# Altium PCB Mainboard.PcbDoc (part 2 of 4) (continued)
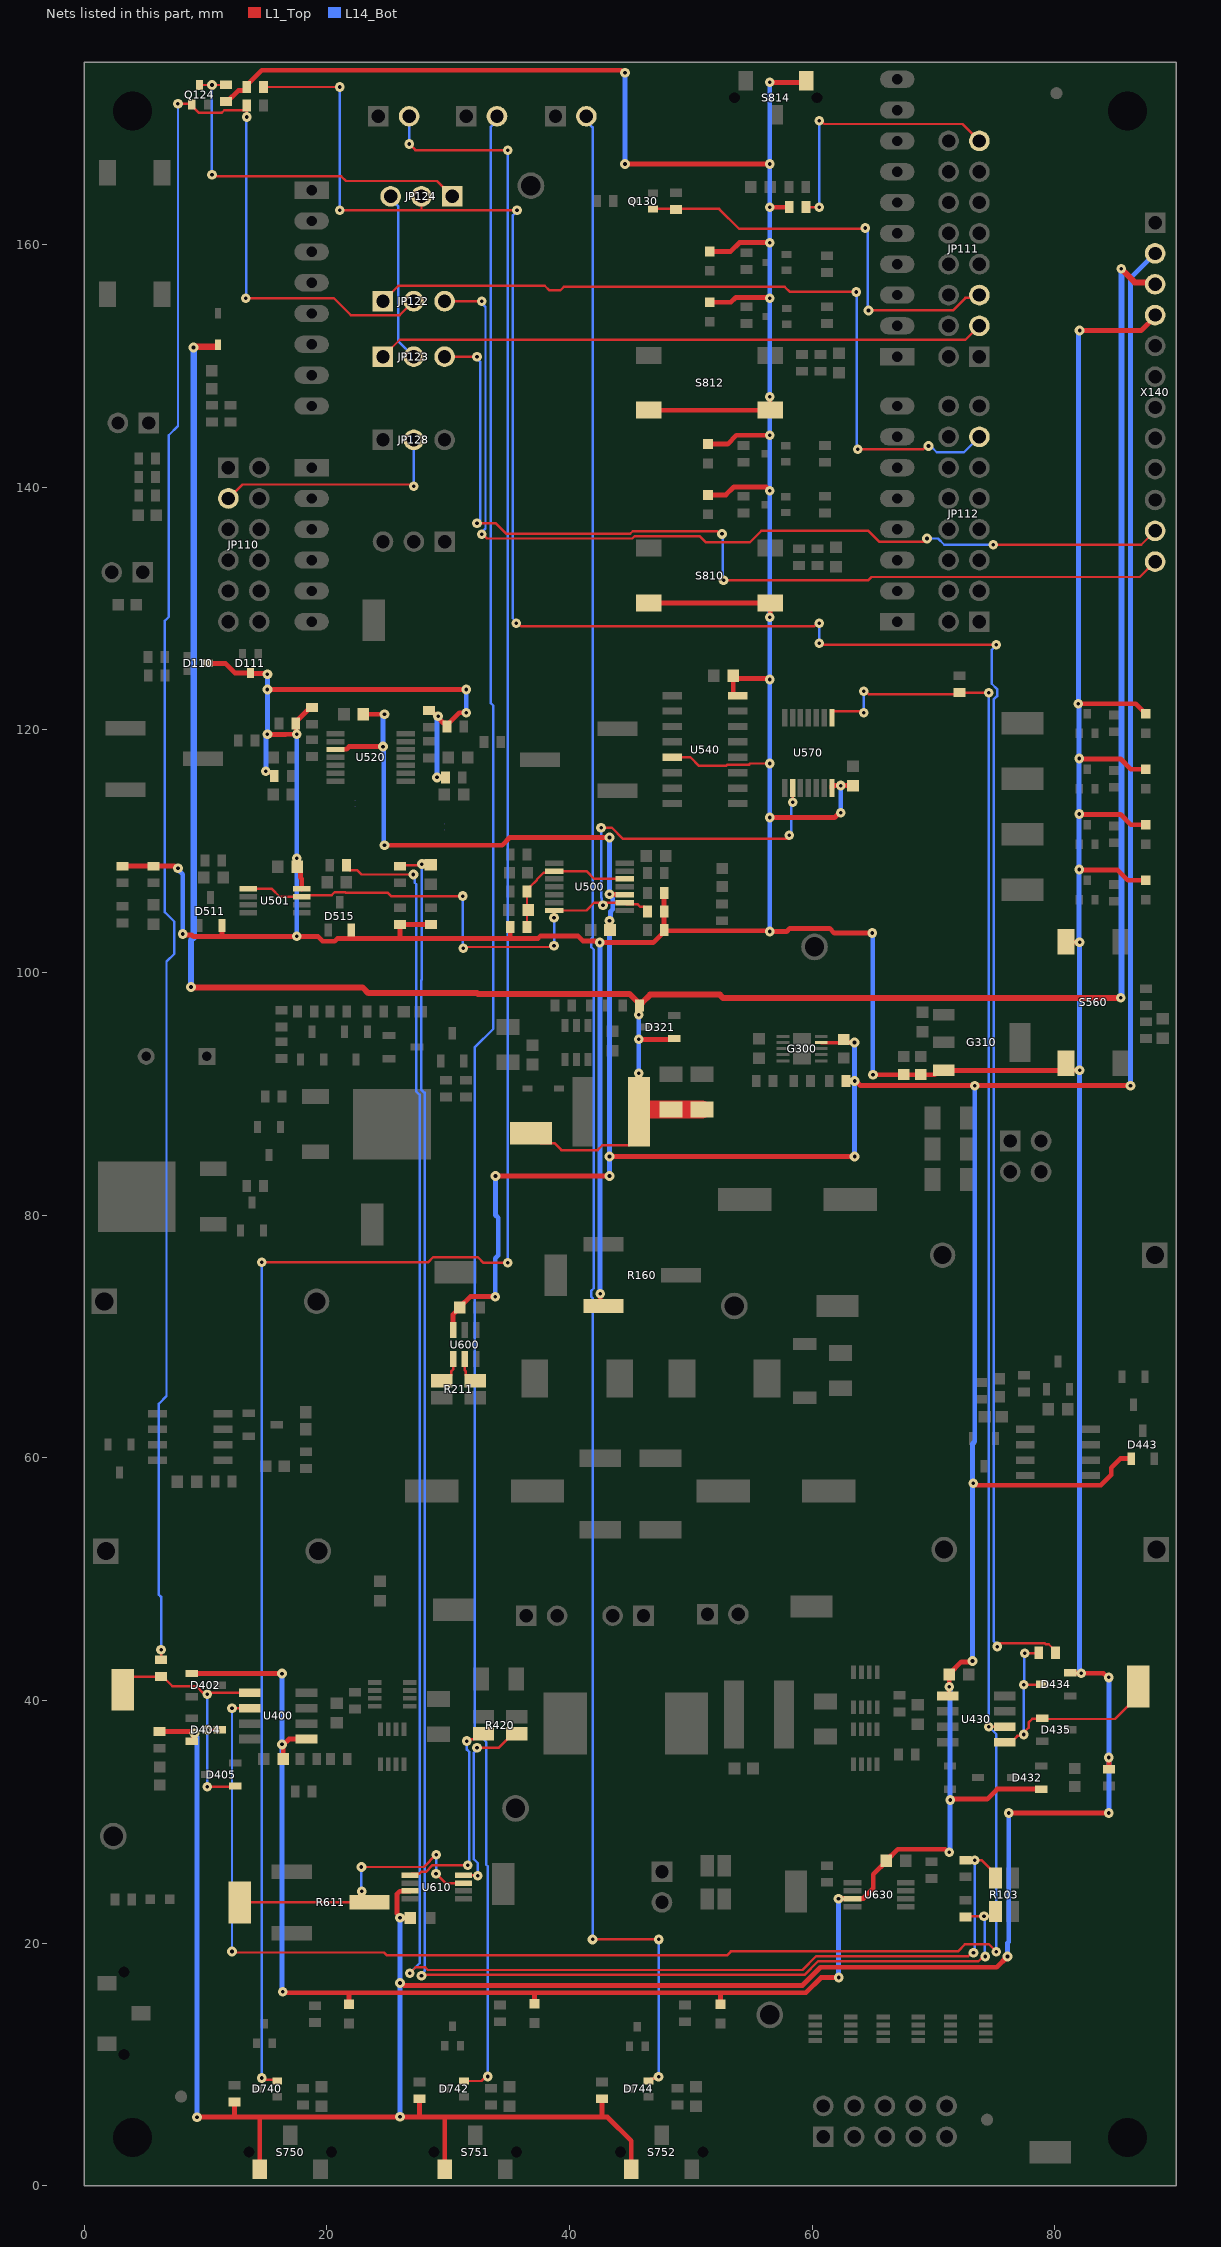
[diagram p2: the nets of this part, all layers, seen from the top]
## Part data (continued)
U540: library part 648079, "Quad R/S latch with 3-state outputs", Manufacturer=Nexperia, Package Description="SOIC,1.27mm pitch;16 pin,3.90mm W X 9.90mm L X 1.75mm H body", Temperature max=85, Temperature min=-40, Temperature Range=Industrial, Voltage DC (max)=na, Alternate View=No, Article Number=648079, Automotive Qualified=No, Combined Parameters="- Digital;Vdc min/max:3V/15V;Iout:2.4mA;Fmax:-", ComponentLink1Description="Vendor WebSite", ComponentLink1URL=http://www.nexperia.com, ComponentLink2Description=Datasheet, ComponentLink2URL=http://webnetprod.muc.infineon.com/PCBPortal_Prod/WorkFlows/AltiumComponent/StandardDocumentation?Versionid=648080, ComponentStatus=Released, Legacy DeviceID=NEX_HEF4043BT,653, Manufacturer Order Number=HEF4043BT,653, Multiple Parts=No, PackageReference=SO-16, Part Type="Integrated Circuit", PLMStatus=Active, QuickPick=SO-16, RoHS Compliant=Y, Second Source allowed=Yes, Supplier 1=Farnell, Supplier 2=DigiKey, Supplier 3=Mouser, Supplier Part Number 2=1727-1799-1-ND, Supplier Part Number 3=771-HEF4043BT653, Symbol Type="Quad R/S latch with 3-state outputs", Type=Digital, Version Number=V00
U570: library part 648286, "Dual 4-input NOR gate, Inputs also include clamp diodes that enable the use of current limiting resistors", Manufacturer=Nexperia, Package Description="SOP,0.65mm,pitch;14 pin,4.40mm W X 5.00mm L X 1.10mm H body", Supplier Part Number 1=3441850, Temperature max=125, Temperature min=-40, Temperature Range=Automotive, Voltage DC (max)=na, Alternate View=Yes, Application="Power Electronics", Article Number=648286, Automotive Qualified=No, Combined Parameters="Power Electronics Digital;Vdc min/max:2V/6V;Iout:25mA;Fmax:-", ComponentLink1Description="Vendor WebSite", ComponentLink1URL=http://www.nexperia.com, ComponentLink2Description=Datasheet, ComponentLink2URL=http://webnetprod.muc.infineon.com/PCBPortal_Prod/WorkFlows/AltiumComponent/StandardDocumentation?Versionid=648287, ComponentStatus=Released, Legacy DeviceID=NEX_74HC4002PW,118, Manufacturer Order Number=74HC4002PW,118, Multiple Parts=Yes, PackageReference="TSSOP14 (SOT402-1)", Part Type="Integrated Circuit", PLMStatus=Active, QuickPick="TSSOP14 (SOT402-1)", RoHS Compliant=Y, Second Source allowed=Yes, Supplier 1=Farnell, Supplier 2=DigiKey, Supplier 3=Mouser, Supplier Part Number 2=1727-6600-1-ND, Supplier Part Number 3=771-HC4002PW118, Symbol Type="Dual 4-input NOR gate", Type=Digital, Version Number=V00
U600: library part 644045, "Low-Cost, Voltage-Output, High-Side Current-Sense Amplifier", Manufacturer="Maxim Integrated Products", Package Description="SOT,0.95mm pitch;6 pin,1.625mm W X 2.90mm L X 1.45mm H body", Supplier Part Number 1=2515284, Temperature max=125, Temperature min=-40, Temperature Range=Automotive, Voltage DC (max)=na, Alternate View=No, Application="Power Supply", Article Number=644045, Automotive Qualified=Yes, Combined Parameters=Res.:-;Fmax:-, ComponentLink1Description="Vendor WebSite", ComponentLink1URL=http://www.maxim-ic.com/, ComponentLink2Description=Datasheet, ComponentLink2URL=http://webnetprod.muc.infineon.com/PCBPortal_Prod/WorkFlows/AltiumComponent/StandardDocumentation?Versionid=644046, ComponentStatus=Released, Legacy DeviceID=MIP_MAX4073FAUT+T, Manufacturer Order Number=MAX4073FAUT+T, Multiple Parts=No, PackageReference=SOT23-6, Part Type="Analog Parts", PLMStatus=Active, QuickPick="Amplifier / SOT23-6", RoHS Compliant=Y, Second Source allowed=Yes, Supplier 1=Farnell, Supplier 2=DigiKey, Supplier 3=Mouser, Supplier Part Number 2=MAX4073FAUT+TCT-ND, Supplier Part Number 3=700-MAX4073FAUT+T, Symbol Type="Low-Cost, Voltage-Output, High-Side Current-Sense Amplifier", Type=Amplifier, Version Number=V01
U610: library part 645975, "Current Sense Amplifiers Current-Sense Amplifier W / PWM Rejection", Manufacturer="Maxim Integrated Products", Package Description="SOP,0.65mm pitch;8 pin,3.00mm W X 3.00mm L X 1.10mm H body", Supplier Part Number 1=3288156, Temperature max=125, Temperature min=-40, Temperature Range=Automotive, Voltage DC (max)=na, Alternate View=No, Application="Power Electronics", Article Number=645975, Automotive Qualified="AEC Q100", Combined Parameters=Res.:-;Fmax:-, ComponentLink1Description="Vendor WebSite", ComponentLink1URL=http://www.maxim-ic.com/, ComponentLink2Description=Datasheet, ComponentLink2URL=http://webnetprod.muc.infineon.com/PCBPortal_Prod/WorkFlows/AltiumComponent/StandardDocumentation?Versionid=645976, ComponentStatus=Released, Legacy DeviceID=MIP_MAX40056TAUA+, Manufacturer Order Number=MAX40056TAUA+, Multiple Parts=No, PackageReference=uMAX-8, Part Type="Analog Parts", PLMStatus=Active, QuickPick="Amplifier / uMAX-8", RoHS Compliant=Y, Second Source allowed=Yes, Supplier 1=Farnell, Supplier 2=DigiKey, Supplier 3=Mouser, Supplier Part Number 2=175-MAX40056TAUA+-ND, Supplier Part Number 3=700-MAX40056TAUA+, Symbol Type="Bidirectional Current Sense Amplifier with PWM-Rejection", Type=Amplifier, Version Number=V01
U630: library part 648334, "Automotive, High-Voltage, Precision, Rail-to-Rail In, Rail-to-Rail Out Op Amp, Inverter and Motor Control Applications", Manufacturer="Texas Instruments", Package Description="SOP,0.65mm pitch;8 pin,3.00mm W X 3.00mm L X 1.10mm H body", Temperature max=125, Temperature min=-40, Temperature Range=Automotive, Voltage DC (max)=na, Alternate View=Yes, Application="Power Supply", Article Number=648334, Automotive Qualified="AEC Q100", Combined Parameters=Res.:-;Fmax:-, ComponentLink1Description="Vendor WebSite", ComponentLink1URL=http://www.ti.com, ComponentLink2Description=Datasheet, ComponentLink2URL=http://webnetprod.muc.infineon.com/PCBPortal_Prod/WorkFlows/AltiumComponent/StandardDocumentation?Versionid=648335, ComponentStatus=Released, Legacy DeviceID=TI_TLV197QDGKRQ1, Manufacturer Order Number=TLV197QDGKRQ1, Multiple Parts=Yes, PackageReference=VSSOP-8(DGK), Part Type="Analog Parts", PLMStatus=Active, QuickPick="Amplifier / VSSOP-8(DGK)", RoHS Compliant=Y, Second Source allowed=Yes, Supplier 1=Farnell, Supplier 2=DigiKey, Supplier 3=Mouser, Supplier Part Number 2=296-TLV197QDGKRQ1CT-ND, Supplier Part Number 3=595-TLV197QDGKRQ1, Symbol Type="High-Precision, Low-Noise, Rail-to-Rail Output, JFET Op Amp", Type=Amplifier, Version Number=V00
W100 W500: library part 453053, "SMD Net Tie for two Nets", Legacy PartNumber=CON01501379, Manufacturer="Infineon Technologies", Package Description="SMD Net Tie 0.2mm x 0.6mm", Temperature max=0, Temperature Range=Military, Voltage DC (max)=na, Alternate View=Yes, Article Number=453053, Combined Parameters="- onboard connector;-x-;Mounting:SMT;Orient:-;Shielded:-", ComponentLink1Description="Vendor WebSite", ComponentLink1URL=https://www.infineon.com/, ComponentLink2Description=Datasheet, ComponentStatus=Released, Legacy DeviceID="CON_Net Tie_small_2p", Manufacturer Order Number="Net Tie_small_2p", PackageReference=SMD, Part Type=Connector, PLMStatus=Active, Second Source allowed=Yes, Supplier 1=Farnell, Supplier 2=DigiKey, Supplier 3=Mouser, Symbol Type="Net Tie for two Nets", Temperature min=0, Version Number=V01
X100 X102: library part 377341, "Banana Socket, Red, 17.5mm Pitch", Legacy PartNumber=CON01500041, Manufacturer="Hirschmann Test & Measurement", Manufacturer Component Status=Active, Package Description="Banana Jack, 2 pins, 17.5mm Pitch, 21mm L X 7.5mm W X 10.5mm H body", Supplier Part Number 1=497332, Temperature max=85, Temperature min=-25, Temperature Range=Military, Voltage DC (max)=na, Article Number=377341, Combined Parameters="Board-to-Cable Socket (female);2x1;Mounting:THT;Orient:90° (right angle);Shielded:No", ComponentLink1Description="Vendor WebSite", ComponentLink1URL=http://www.sks-kontakt.de/, ComponentLink2Description=Datasheet, ComponentLink2URL=http://webnetprod.muc.infineon.com/PCBPortal_Prod/WorkFlows/AltiumComponent/StandardDocumentation?Versionid=377342, ComponentStatus=Released, Legacy DeviceID="HTM_973 582- 101", Manufacturer Order Number="973 582-101", Part Type=Connector, PLMStatus=Active, QuickPick="90° (right angle) / Board-to-Cable", RoHS Compliant=N, Second Source allowed=Yes, Style=Banana, Supplier 1=Farnell, Supplier 2=DigiKey, Supplier 3=Mouser, Supplier Part Number 3=845-973582101, Symbol Type="Banana Socket 2 Pins", Type=Board-to-Cable, Version Number=V01
X101 X103: library part 377401, "Banana Socket, black, 17.5mm Pitch", Legacy PartNumber=CON01500045, Manufacturer="Hirschmann Test & Measurement", Manufacturer Component Status=Active, Package Description="Banana Jack, 2 pins, 17.5mm Pitch, 21mm L X 7.5mm W X 10.5mm H body", Supplier Part Number 1=497344, Temperature max=85, Temperature min=-25, Temperature Range=Military, Voltage DC (max)=na, Article Number=377401, Automotive Qualified=No, Combined Parameters="Board-to-Cable Socket (female);-x-;Mounting:THT;Orient:90° (right angle);Shielded:No", ComponentLink1Description="Vendor WebSite", ComponentLink1URL=http://www.sks-kontakt.de/, ComponentLink2Description=Datasheet, ComponentLink2URL=http://webnetprod.muc.infineon.com/PCBPortal_Prod/WorkFlows/AltiumComponent/StandardDocumentation?Versionid=377402, ComponentStatus=Released, Legacy DeviceID="HTM_973 582- 100", Manufacturer Order Number="973 582-100", Part Type=Connector, PLMStatus=Active, QuickPick="90° (right angle) / Board-to-Cable", RoHS Compliant=N, Second Source allowed=Yes, Style=Banana, Supplier 1=Farnell, Supplier 2=DigiKey, Supplier 3=Mouser, Supplier Part Number 3=845-973582100, Symbol Type="Banana Socket 2 Pins", Type=Board-to-Cable, Version Number=V01
X110: library part 644888, "Arduino Uno is a microcontroller board based on the ATmega328P", Manufacturer="Infineon Technologies", Package Description="Arduino-Uno, THT, 32 Pin, 68.58 mm L X 53.34 mm W X 8.64 mm H body", Temperature max=85, Temperature min=-40, Temperature Range=Industrial, Voltage DC (max)=na, Alternate View=Yes, Article Number=644888, Automotive Qualified=No, Combined Parameters="Board-to-Board Socket (female);-x-;Mounting:THT;Orient:0° (vertical);Shielded:-", ComponentLink1Description="Vendor WebSite", ComponentLink1URL=https://www.infineon.com/, ComponentLink2Description=Datasheet, ComponentStatus=Released, Legacy DeviceID=Infineon_Arduino-Uno, Manufacturer Order Number=Arduino-Uno, Multiple Parts=Yes, PackageReference=THT, Part Type=Connector, PLMStatus=Active, QuickPick="0° (vertical) / Board-to-Board", RoHS Compliant=N, Second Source allowed=Yes, Supplier 1=Farnell, Supplier 2=DigiKey, Supplier 3=Mouser, Symbol Type="Arduino Uno is a microcontroller board based on the ATmega328P", Type=Board-to-Board, Version Number=V01
X140: library part 659593, "WR-PHD Pin Header", Manufacturer="Wurth Elektronik", Package Description="Connector, THT, 2.54 mm Pitch, 12 pin, 30.48 mm L X 2.54 mm W X 8.89 mm H body", Supplier Part Number 1=2356162, Temperature max=105, Temperature min=-40, Temperature Range=Industrial, Voltage DC (max)=na, Article Number=659593, Automotive Qualified=No, Combined Parameters="Board-to-Board Header (male);12x1;Mounting:THT;Orient:0° (vertical);Shielded:No", ComponentLink1Description="Vendor WebSite", ComponentLink1URL=http://www.we-online.com, ComponentLink2Description=Datasheet, ComponentLink2URL=http://webnetprod.muc.infineon.com/PCBPortal_Prod/WorkFlows/AltiumComponent/StandardDocumentation?Versionid=659594, ComponentStatus=Released, Legacy DeviceID=WE_61301211121, Manufacturer Order Number=61301211121, PackageReference="2.54mm THT", Part Type=Connector, PLMStatus=Active, QuickPick="0° (vertical) / Board-to-Board", RoHS Compliant=Y, Second Source allowed=Yes, Style=Strip, Supplier 1=Farnell, Supplier 2=DigiKey, Supplier 3=Mouser, Supplier Part Number 2=732-5323-ND, Supplier Part Number 3=710-61301211121, Type=Board-to-Board, Version Number=V00
X150: library part 638630, "WR-BHD Male Box Header, 2.54mm pitch, 10 pin, Vertical, Double row", Manufacturer="Wurth Elektronik", Package Description="Connector, THT, 2.54mm Pitch; 10 Pins, 9.10 mm L X 20.36 mm W X 9.25 mm H body", Supplier Part Number 1=1642019, Temperature max=105, Temperature min=-40, Temperature Range=Industrial, Voltage DC (max)=na, Article Number=638630, Automotive Qualified=No, Combined Parameters="Board-to-Board/Cable Header (male);5x2;Mounting:THT;Orient:0° (vertical);Shielded:No", ComponentLink1Description="Vendor WebSite", ComponentLink1URL=http://www.we-online.com, ComponentLink2Description=Datasheet, ComponentLink2URL=http://webnetprod.muc.infineon.com/PCBPortal_Prod/WorkFlows/AltiumComponent/StandardDocumentation?Versionid=638631, ComponentStatus=Released, Legacy DeviceID=WE_61201021621, Manufacturer Order Number=61201021621, PackageReference=THT, Part Type=Connector, PLMStatus=Active, QuickPick="0° (vertical) / Board-to-Board/Cable", RoHS Compliant=Y, Second Source allowed=Yes, Style=Strip, Supplier 1=Farnell, Supplier 2=DigiKey, Supplier 3=Mouser, Supplier Part Number 2=732-2094-ND, Supplier Part Number 3=710-61201021621, Type=Board-to-Board/Cable, Version Number=V01

## Via types
v1: diameter 0.8, hole 0.3, L1_Top to L14_Bot, tented both sides, 1083 vias
v2: diameter 1, hole 0.5, L1_Top to L14_Bot, tented both sides, 6 vias
v3: diameter 1.4, hole 0.8, L1_Top to L14_Bot, tented both sides, 2 vias

## Nets (pads, with @x,y where several pads share a name; then routed paths per layer and width w, separated by ;. In a path a pad name is that pad's centre, name@x,y a point inside that pad or via, vN(x,y) a via of type N, cw(c..) or ccw(c..) an arc to the next point about the centre after c; other vN are vias at no path point)
3V3: C311.2 C312.2 C501.1 C540.2 C570.1 C610.2 D110.3 D111.3 D404.2 D434.2 D511.2 D515.2 D550.2 D551.2 D552.2 D553.2 D801.2 D803.2 D805.2 D807.2 G310.3 R123.1 R124.2 R160.3 R170.2 R405.2 R435.1 R500.1 R501.1 R502.1 R504.1 R508.1 R509.2 R512.1 R513.2 R520.1 R522.2 R525.1 R527.1 R529.2 R532.1 R740.2 R742.2 R744.2 S560.3 S560.4 S750.1 S751.1 S752.1 S810.3 S810.4 S812.3 S812.4 S814.1 U501.8 U540.5 U540.16 U570.14 U610.3 X140.4 | length 734.7
  L1_Top w0.2: U540.5@48.481,117.735 49.973,117.735 50.679,117.029 52.921,117.029 53.027,117.135 54.805,117.135 54.891,117.221 v1(56.515,117.221)
  L1_Top w0.4: R508.1@3.175,108.767 v1@7.457,108.767 ; R405.2@6.223,37.448 v1@8.849,37.448 ; v1(8.131,103.169) 8.208,103.092 8.86,103.092 8.998,102.954 11.364,102.954 ; D404.2@8.883,36.642 8.929,36.642 9.029,36.742 9.029,37.223 v1(9.106,37.3) ; v1(9.311,5.675) 12.319,5.675 ; D110.3@10.198,125.476 11.646,125.476 12.446,124.676 D111.3@13.716,124.676 13.76,124.632 15.068,124.632 v1(15.113,124.587) ; D511.2@11.364,103.879 11.364,102.954 ; R124.2@11.684,171.776 11.819,171.776 12.722,172.679 13.247,172.679 13.407,172.839 R123.1@13.407,172.974 13.407,173.109 14.648,174.35 v1@44.269,174.35 ; R740.2@12.414,6.93 12.414,5.77 12.319,5.675 ; S750.1@14.486,1.394 14.486,5.54 14.351,5.675 ; v1(14.986,116.586) 15.094,116.586 15.18,116.5 15.527,116.5 15.687,116.34 R525.1@15.687,116.205 ; v1(15.113,119.634) 15.119,119.628 16.6,119.628 16.606,119.634 v1(17.526,119.634) 17.49,119.67 17.49,120.487 R522.2@17.454,120.523 17.454,120.658 17.614,120.818 17.631,120.818 18.661,121.848 R520.1@18.796,121.848 ; v1(15.113,123.317) v1(31.496,123.317) ; v1(17.526,109.409) 17.526,108.75 C501.1@17.564,108.712 17.839,108.437 17.839,107.821 17.942,107.718 U501.8@17.942,106.893 ; D515.2@22.032,103.498 22.098,103.432 22.098,102.807 ; v1@26.343,16.524 59.196,16.524 60.692,18.02 75.213,18.02 v1(76.103,18.91) ; U610.3@26.883,24.313 26.858,24.288 26.017,24.288 25.783,24.054 25.783,22.458 26.035,22.206 v1(26.035,22.098) C610.2@26.886,22.098 ; R742.2@27.654,7.184 27.654,5.708 27.686,5.675 ; R527.1@28.448,121.594 28.583,121.594 28.974,121.203 29.101,121.203 v1(29.177,121.126) ; R512.1@28.575,103.952 28.572,103.955 26.038,103.955 R513.2@26.035,103.958 26.035,102.807 ; v1(29.083,116.078) R532.1@29.79,116.078 ; v1@29.114,121.063 29.613,120.564 29.757,120.564 R529.2@29.917,120.404 ; S751.1@29.726,1.394 29.726,5.54 29.591,5.675 ; R529.2@29.917,120.269 R529.2@29.917,120.404 ; v1(31.496,121.412) 30.925,121.412 R529.2@29.917,120.404 ; R504.1@35.124,103.759 35.124,102.807 ; v1(42.507,102.478) 42.43,102.555 42.148,102.555 42.097,102.605 41.104,102.605 40.712,102.997 37.592,102.997 37.402,102.807 35.124,102.807 ; v1(42.545,73.533) 42.545,72.771 R160.3@42.799,72.517 ; v1@42.545,102.464 46.901,102.464 47.807,103.37 R500.1@47.807,103.505 ; R744.2@42.672,7.184 42.672,5.802 42.545,5.675 ; v1(44.577,166.624) v1(56.515,166.624) ; S752.1@45.093,1.394 45.093,3.723 43.14,5.675 42.545,5.675 ; S810.3@46.556,130.465 S810.4@56.556,130.465 56.556,129.327 v1(56.515,129.286) ; S812.3@46.556,146.34 S812.4@56.556,146.34 56.515,146.381 v1(56.515,147.447) ; R502.1@47.807,106.553 R500.1@47.807,103.505 ; D801.2@51.429,139.357 52.895,139.357 53.545,140.007 56.208,140.007 v1(56.515,139.7) ; D803.2@51.429,143.548 53.039,143.548 53.763,144.272 v1(56.515,144.272) ; D805.2@51.556,155.232 53.312,155.232 53.708,155.628 56.462,155.628 v1(56.515,155.575) ; D807.2@51.556,159.423 53.293,159.423 54.017,160.147 v1(56.515,160.147) ; U540.16@53.881,122.815 53.605,122.815 53.505,122.915 C540.2@53.505,124.46 53.747,124.218 56.438,124.218 v1(56.515,124.141) ; v1(56.515,112.776) 61.868,112.776 62.249,113.157 v1(62.357,113.157) ; v1(56.515,163.068) R170.2@58.111,163.068 ; v1(56.515,173.355) 59.387,173.355 S814.1@59.517,173.485 ; U570.14@61.64,115.204 61.64,115.38 61.665,115.405 v1(62.357,115.405) C570.1@63.373,115.405 ; v1(64.962,103.251) 61.827,103.251 61.446,103.632 58.166,103.632 57.912,103.378 v1(56.515,103.378) 56.451,103.442 47.87,103.442 R500.1@47.807,103.505 ; v1(65.024,91.567) 65.036,91.579 C312.2@67.564,91.579 C311.2@68.961,91.579 70.084,91.579 70.439,91.934 80.435,91.934 80.935,92.434 S560.4@80.935,92.448 ; v1(76.2,30.734) v1(84.455,30.734) ; S560.4@80.935,92.536 S560.4@80.935,92.448 ; S560.3@80.935,102.536 80.982,102.489 v1(82.042,102.489) ; D434.2@81.274,42.286 81.294,42.267 82.149,42.267 v1(82.169,42.247) ; v1(81.944,122.144) 86.676,122.144 D550.2@87.497,121.323 ; v1(82.017,108.492) 82.051,108.458 85.163,108.458 86.014,107.607 D553.2@87.497,107.607 ; v1(82.017,113.064) 82.051,113.03 85.417,113.03 86.268,112.179 D552.2@87.497,112.179 ; v1(82.017,117.636) 82.051,117.602 85.417,117.602 86.268,116.751 D551.2@87.497,116.751 ; v1(82.042,91.948) 81.435,91.948 S560.4@80.935,92.448 ; v1(82.042,152.908) 87.122,152.908 88.265,154.051 X140.4@88.265,154.178 ; v1@82.208,42.247 84.01,42.247 84.347,41.91 v1(84.455,41.91) ; R435.1@84.455,34.345 v1(84.455,35.306) ; 11.364,102.954 19.285,102.954 19.666,102.573 20.658,102.573 20.892,102.807 22.098,102.807 ; 12.319,5.675 14.351,5.675 ; 14.351,5.675 27.686,5.675 ; 22.098,102.807 26.035,102.807 ; 26.035,102.807 35.124,102.807 ; 27.686,5.675 29.591,5.675 ; 29.591,5.675 42.545,5.675
  L14_Bot w0.4: v1(7.747,108.585) 7.747,108.477 8.131,108.093 v1(8.131,103.169) ; v1(9.311,5.675) v1@9.311,36.987 ; v1(14.986,116.586) v1@14.986,119.517 ; v1(15.113,119.634) v1(15.113,123.317) v1(15.113,124.587) ; v1(17.526,102.997) v1(17.526,109.409) v1(17.526,119.634) ; v1(26.035,5.715) v1(26.035,16.724) v1(26.035,22.098) ; v1(29.083,116.078) 29.083,120.924 29.177,121.018 v1(29.177,121.126) ; v1(31.496,121.412) v1(31.496,123.317) ; v1(42.507,102.478) 42.507,73.571 v1(42.545,73.533) ; v1(44.577,166.624) v1(44.577,174.15) ; v1(56.515,103.378) v1(56.515,112.776) v1(56.515,117.221) v1(56.515,124.141) v1(56.515,129.286) v1(56.515,139.7) v1(56.515,144.272) v1(56.515,147.447) v1(56.515,155.575) v1(56.515,160.147) v1(56.515,163.068) v1(56.515,166.624) v1(56.515,173.355) ; v1(62.357,113.157) v1(62.357,115.405) ; v1(64.962,103.251) 64.993,103.22 64.993,91.598 v1(65.024,91.567) ; v1(76.103,18.91) 76.103,20.013 76.2,20.11 v1(76.2,30.734) ; v1(82.042,152.908) 81.944,152.81 v1(81.944,122.144) 81.993,122.095 81.993,102.538 v1(82.042,102.489) v1(82.042,91.948) 82.042,42.482 82.169,42.355 v1(82.169,42.247) ; v1(84.455,30.734) v1(84.455,41.91)
5V: C323.2 C324.2 D112.2 D321.1 L320.2 R320.1 TP320.1 X140.3 | length 225
  L1_Top w0.2: TP320.1@36.83,86.741 37.655,85.916 38.798,85.916 39.345,85.369 42.322,85.369 42.722,85.769 44.934,85.769 45.734,86.569 L320.2@45.734,88.519 ; v1(45.72,91.694) 45.734,91.68 L320.2@45.734,88.57 ; v1(45.72,96.52) R320.1@45.72,97.147
  L1_Top w0.4: v1(45.72,94.488) D321.1@48.582,94.488
  L1_Top w0.5: v1(8.812,98.806) 8.851,98.767 22.957,98.767 23.426,98.298 32.385,98.298 32.456,98.227 44.965,98.227 R320.1@45.775,97.417 ; v1(9.017,151.511) 9.074,151.568 11.049,151.568 D112.2@11.049,151.735 ; R320.1@45.775,97.147 R320.1@45.775,97.282 R320.1@45.775,97.417 ; v1(85.433,97.917) 52.646,97.917 52.392,98.171 46.664,98.171 46.02,97.527 45.885,97.527 R320.1@45.775,97.417 ; v1(85.471,157.988) 86.584,156.875 88.108,156.875 X140.3@88.265,156.718
  L1_Top w1.5: L320.2@45.734,88.57 45.884,88.72 C323.2@48.387,88.72 C324.2@50.927,88.72
  L14_Bot w0.4: v1(45.72,91.694) v1(45.72,94.488) v1(45.72,96.52)
  L14_Bot w0.5: v1(8.812,98.806) 8.812,102.648 9.043,102.879 9.043,151.485 v1(9.017,151.511) ; v1(85.433,97.917) 85.49,97.974 85.49,157.969 v1(85.471,157.988)
12V: C301.2 C400.2 C430.2 C500.1 C520.1 C600.2 C630.2 D402.1 D432.1 D443.1 D741.2 D743.2 D745.2 G300.9 R301.2 U400.5 U430.5 U500.3 U520.3 U600.3 U630.7 X140.2 | length 407.6
  L1_Top w0.3: G300.9@60.749,94.224 C301.2@62.371,94.224
  L1_Top w0.4: D402.1@8.876,42.225 v1(16.317,42.225) ; v1(16.317,36.388) v1@16.415,36.29 ; v1(16.383,16.002) 16.46,15.925 16.772,15.925 16.774,15.924 21.844,15.924 ; C400.2@16.415,35.179 v1@16.415,36.29 ; U400.5@18.336,36.83 16.891,36.83 16.415,36.354 v1@16.415,36.29 ; U520.3@20.716,118.379 20.741,118.404 21.632,118.404 21.846,118.618 v1(24.638,118.618) ; D741.2@21.844,14.986 21.844,15.924 ; C520.1@23.025,121.285 v1(24.765,121.285) ; v1(24.765,110.49) 34.465,110.49 35.1,111.125 v1(43.307,111.125) ; U600.3@30.419,70.542 30.419,71.834 30.95,72.365 C600.2@30.95,72.39 30.861,72.479 31.014,72.479 31.825,73.29 33.876,73.29 v1(33.887,73.279) ; v1(33.909,83.233) v1(43.307,83.233) ; D743.2@37.116,15.024 37.116,15.892 37.084,15.924 ; v1(43.307,84.836) v1(63.5,84.836) ; v1(43.307,104.267) 43.326,104.248 43.326,103.524 C500.1@43.345,103.505 ; v1(43.307,106.461) 43.332,106.436 44.531,106.436 U500.3@44.556,106.411 ; D745.2@52.451,14.986 52.451,15.924 ; v1(62.181,23.675) 62.203,23.653 62.227,23.677 63.331,23.677 U630.7@63.332,23.678 63.357,23.703 64.223,23.703 65.038,24.519 65.038,25.681 66.129,26.772 C630.2@66.129,26.797 66.129,26.822 67.054,27.747 v1@70.978,27.747 ; v1(62.193,17.182) 60.743,17.182 59.485,15.924 52.451,15.924 ; C301.2@62.371,94.224 C301.2@62.611,94.464 62.841,94.234 v1(63.494,94.234) ; R301.2@62.793,91.059 v1(63.5,91.059) 63.608,91.059 63.989,90.678 v1(73.406,90.678) v1(86.233,90.678) ; U430.5@71.193,40.386 71.298,40.491 v1(71.298,41.148) C430.2@71.298,42.164 71.298,42.189 72.296,43.187 73.14,43.187 v1(73.217,43.264) v1@73.217,43.253 ; v1(71.373,31.805) 71.445,31.877 74.42,31.877 75.248,32.705 D432.1@78.874,32.705 ; v1(73.279,57.912) 73.444,57.747 83.799,57.747 84.649,58.597 84.649,59.187 85.399,59.937 D443.1@86.299,59.937 ; 21.844,15.924 37.084,15.924 ; 37.084,15.924 52.451,15.924
  L14_Bot w0.4: v1(16.317,42.225) v1(16.317,36.388) 16.317,26.304 16.305,26.292 16.305,16.08 v1(16.383,16.002) ; v1(24.765,110.49) 24.701,110.553 24.701,118.554 v1(24.638,118.618) 24.638,121.285 v1(24.765,121.285) ; v1(33.887,73.279) 33.887,76.444 34.133,76.69 34.133,79.795 33.909,80.019 v1(33.909,83.233) ; v1(43.307,83.233) v1(43.307,84.836) v1(43.307,104.267) 43.384,104.344 43.384,105.02 43.569,105.206 43.569,106.091 43.307,106.353 v1(43.307,111.125) ; v1(62.181,23.675) 62.187,23.669 62.187,17.188 v1(62.193,17.182) ; v1(63.494,94.234) 63.494,91.065 v1(63.5,91.059) v1(63.5,84.836) ; v1(71.298,27.508) 71.374,27.584 v1(71.373,31.805) v1(71.373,31.805) ; v1(71.298,41.148) 71.374,41.072 v1@71.374,32.171 ; v1(73.217,43.264) 73.217,61.164 73.406,61.353 v1(73.406,90.678) ; v1(86.233,90.678) 86.233,157.226 X140.2@88.265,159.258
\Cntrl1: D740.2 JP125.2 | length 191.5
  L1_Top w0.2: v1(14.647,8.901) 14.809,8.901 14.942,8.768 15.796,8.768 D740.2@15.913,8.651 ; v1(14.647,76.115) 28.337,76.115 28.758,76.536 32.456,76.536 32.919,76.073 v1(34.925,76.073) ; v1(26.797,168.275) 27.305,167.767 v1(34.925,167.767)
  L14_Bot w0.2: v1(14.647,8.901) v1(14.647,76.115) ; JP125.2@26.791,170.561 26.794,170.558 26.794,168.278 v1(26.797,168.275) ; v1(34.925,76.073) v1(34.925,167.767)
\Cntrl2: D742.2 JP126.2 | length 165
  L1_Top w0.2: D742.2@31.318,8.651 32.746,8.651 33.112,9.017 v1(33.274,9.017)
  L14_Bot w0.2: v1(33.274,9.017) 33.274,15.624 33.283,15.633 33.283,26.338 33.147,26.474 33.147,36.576 32.193,37.53 32.193,93.819 33.72,95.346 33.72,121.989 33.525,122.184 33.525,145.315 33.528,145.318 33.528,169.694 34.03,170.196 JP126.2@34.03,170.561
\Cntrl3: D744.2 JP127.2 | length 168.5
  L1_Top w0.2: v1(41.91,20.32) v1(47.371,20.32) ; D744.2@46.52,8.651 46.72,8.851 47.205,8.851 v1(47.348,8.994)
  L14_Bot w0.2: JP127.2@41.396,170.561 41.396,170.155 41.91,169.641 41.91,102.871 41.807,102.768 41.807,102.084 42.007,101.884 42.007,73.985 41.815,73.793 41.815,73.273 41.91,73.178 v1(41.91,20.32) ; v1(47.348,8.994) 47.348,20.297 v1(47.371,20.32)
\Overcurr: R501.2 U500.2 U500.14 U501.1 U501.7 U570.9 | length 68.3
  L1_Top w0.2: U501.1@13.542,106.893 15.479,106.893 16.129,106.243 U501.7@17.942,106.243 18.067,106.368 20.403,106.368 20.658,106.623 21.506,106.623 21.551,106.578 25.02,106.578 25.299,106.299 v1(31.218,106.299) ; v1(31.242,102.007) 31.337,102.102 38.478,102.102 38.735,102.359 v1(38.735,102.197) ; v1(38.735,104.521) 38.756,104.542 U500.14@38.756,105.111 41.394,105.111 42.043,105.761 42.545,105.761 v1(42.769,105.537) ; v1(42.61,111.925) 42.672,111.863 42.734,111.925 43.497,111.925 44.414,111.008 58.011,111.008 58.011,111.208 v1(58.111,111.308) ; v1@42.769,105.761 U500.2@44.556,105.761 44.681,105.636 45.606,105.636 45.818,105.424 46.167,105.424 46.427,105.164 R501.2@46.427,105.029 ; U570.9@58.39,115.204 58.4,115.194 58.4,114.046 v1(58.411,114.036)
  L14_Bot w0.2: v1(31.218,106.299) 31.218,102.259 31.242,102.235 v1(31.242,102.007) ; v1(38.735,102.197) v1(38.735,104.521) ; v1(42.61,111.925) 42.607,111.922 42.607,106.171 42.654,106.124 42.654,105.652 v1(42.769,105.537) ; v1(58.111,111.308) 58.111,111.47 58.293,111.652 58.293,113.619 58.296,113.621 58.296,113.921 v1(58.411,114.036)
\Shutdown: R112.1 U400.2 U430.2 U570.1 | length 206
  L1_Top w0.2: v1(12.192,19.323) 12.276,19.239 24.729,19.239 24.962,19.006 52.983,19.006 53.311,19.334 72.009,19.334 72.595,19.92 74.568,19.92 v1(75.184,19.304) ; v1(12.192,39.37) U400.2@13.656,39.37 ; U570.1@61.64,121.004 61.64,121.414 61.765,121.539 63.973,121.539 64.1,121.412 v1(64.262,121.412) ; v1(64.262,123.19) 64.424,123.19 64.678,122.936 72.136,122.936 72.263,123.063 v1(74.549,123.063) ; v1(74.562,37.846) U430.2@75.873,37.846
  L14_Bot w0.2: v1(12.192,19.323) v1(12.192,39.37) ; v1(64.262,121.412) v1(64.262,123.19) ; v1(74.549,123.063) 74.562,123.05 v1(74.562,37.846) 75.184,37.224 v1(75.184,19.304)
A1: JP110.3 JP128.2 | length 19.6
  L1_Top w0.2: JP110.3@11.898,139.065 13.048,140.215 27.044,140.215 v1(27.178,140.081)
  L14_Bot w0.2: JP128.2@27.172,143.891 27.175,143.888 27.175,140.084 v1(27.178,140.081)
AREF: JP111.15 R170.1 | length 22.1
  L1_Top w0.2: R170.1@59.491,163.068 v1(60.579,163.068) ; v1(60.579,170.18) 60.741,170.18 60.995,169.926 72.39,169.926 JP111.15@73.787,168.529
  L14_Bot w0.2: v1(60.579,163.068) v1(60.579,170.18)
Boost_Cntrl: JP124.2 R123.2 R434.1 | length 196.5
  L1_Top w0.2: R123.2@14.787,172.974 v1(21.082,172.974) ; v1(21.082,162.814) 21.089,162.807 27.813,162.807 ; JP124.2@27.807,163.957 27.813,163.951 27.813,162.807 ; v1(35.625,128.778) 35.787,128.778 36.035,128.531 60.169,128.531 60.417,128.778 v1(60.579,128.778) ; v1(35.68,162.807) 27.813,162.807 ; v1(60.579,127.127) 60.706,127 v1(75.184,127) ; v1(75.262,44.45) 75.375,44.563 75.375,44.737 79.169,44.737 79.266,44.64 79.502,44.64 80.065,44.077 R434.1@80.065,43.942
  L14_Bot w0.2: v1(21.082,162.814) v1(21.082,172.974) ; v1(35.625,128.778) 35.625,128.895 35.325,129.195 35.325,162.39 35.68,162.745 v1(35.68,162.807) ; v1(60.579,127.127) v1(60.579,128.778) ; v1(75.184,127) 75.184,126.964 74.803,126.583 74.803,123.799 75.249,123.353 75.249,122.773 74.962,122.486 74.962,44.912 75.262,44.612 v1(75.262,44.45)
Boost_Cntrl_Arduino: JP111.3 JP123.1 | length 50.2
  L1_Top w0.2: JP123.1@24.632,150.749 26.022,152.139 72.637,152.139 JP111.3@73.787,153.289
Boost_Cntrl_Ext: JP123.3 X140.12 | length 77.4
  L1_Top w0.2: JP123.3@29.712,150.749 v1(32.385,150.749) ; v1(32.385,137.033) 33.909,137.033 34.779,136.163 45.014,136.163 45.216,136.365 52.195,136.365 52.416,136.144 v1(52.578,136.144) ; v1(52.705,132.334) 64.643,132.334 64.904,132.595 87.002,132.595 X140.12@88.265,133.858
  L14_Bot w0.2: v1(32.385,137.033) 32.639,137.287 32.639,150.333 32.385,150.587 v1(32.385,150.749) ; v1(52.578,136.144) 52.642,136.081 52.642,132.398 v1(52.705,132.334)
Boost_Cntrl_indep: JP123.2 JP124.3 | length 14
  L14_Bot w0.2: JP124.3@25.267,163.957 25.267,163.778 25.908,163.137 25.908,152.013 JP123.2@27.172,150.749
Boost_IN: D434.3 D435.1 R434.2 TP430.1 U430.1 | length 23.2
  L1_Top w0.2: U430.1@75.873,36.576 76.403,36.576 76.913,37.086 77.329,37.086 v1(77.444,37.201) 77.444,37.363 77.844,37.763 77.844,38.203 78.149,38.508 78.94,38.508 D435.1@78.974,38.542 79.035,38.481 84.963,38.481 86.005,39.523 86.043,39.523 86.868,40.348 TP430.1@86.868,41.148 ; v1(77.44,41.312) 78.95,41.312 D434.3@78.974,41.336 ; v1(77.513,43.899) 78.642,43.899 R434.2@78.685,43.942
  L14_Bot w0.2: v1(77.44,41.312) 77.444,41.309 v1(77.444,37.201) ; v1@77.477,41.349 77.477,43.863 v1(77.513,43.899)
Buck_Cntrl: JP122.2 Q124.1 R122.2 R404.1 | length 166.6
  L1_Top w0.2: R404.1@6.35,43.362 v1(6.35,44.196) ; v1(7.738,171.586) 8.822,171.586 Q124.1@8.869,171.539 8.869,171.439 9.469,170.839 11.338,170.839 11.554,171.055 13.147,171.055 R122.2@13.407,171.315 ; v1(13.335,155.575) 20.574,155.575 21.978,154.171 26.022,154.171 JP122.2@27.172,155.321 ; v1(13.407,170.506) R122.2@13.407,171.315 ; R122.2@13.407,171.45 R122.2@13.407,171.315
  L14_Bot w0.2: v1(6.35,44.196) 6.35,48.54 6.158,48.732 6.158,64.451 6.796,65.089 6.796,100.903 7.431,101.538 7.431,104.202 6.666,104.967 6.666,128.986 6.985,129.305 6.985,144.272 7.747,145.034 7.747,171.577 v1(7.738,171.586) ; v1(13.335,155.575) 13.371,155.611 13.371,170.47 v1(13.407,170.506)
Buck_Cntrl_Arduino: JP112.13 JP122.1 | length 63.9
  L1_Top w0.2: JP122.1@24.632,155.321 25.902,156.591 37.973,156.591 38.354,156.21 39.243,156.21 39.543,156.51 57.739,156.51 58.166,156.083 v1(63.627,156.083) ; v1(63.754,143.129) 69.18,143.129 69.434,143.383 v1(69.596,143.383)
  L14_Bot w0.2: v1(63.627,156.083) 63.692,156.018 63.692,143.191 v1(63.754,143.129) ; v1(69.596,143.383) 69.758,143.383 70.266,142.875 72.517,142.875 JP112.13@73.787,144.145
Buck_Cntrl_Ext: JP122.3 X140.11 | length 80
  L1_Top w0.2: JP122.3@29.712,155.321 v1(32.766,155.321) ; v1(32.779,136.114) 32.845,136.114 33.196,135.763 45.18,135.763 45.382,135.965 50.725,135.965 51.246,135.444 54.861,135.444 55.815,136.398 64.643,136.398 65.527,135.514 69.22,135.514 v1(69.469,135.763) ; v1(74.93,135.255) 87.122,135.255 X140.11@88.265,136.398
  L14_Bot w0.2: v1(32.766,155.321) 32.766,155.159 33.085,154.84 33.085,136.582 32.779,136.276 v1(32.779,136.114) ; v1(69.469,135.763) 70.383,135.763 70.891,135.255 v1(74.93,135.255)
Buck_Cntrl_Inv: JP124.1 Q124.3 R124.1 | length 30.1
  L1_Top w0.2: Q124.3@9.519,173.139 v1(10.541,173.139) 11.667,173.139 R124.1@11.684,173.156 ; v1(10.541,165.735) 10.656,165.62 10.946,165.62 10.958,165.608 21.202,165.608 21.583,165.227 29.077,165.227 JP124.1@30.347,163.957
  L14_Bot w0.2: v1(10.541,165.735) v1(10.541,173.139)
Buck_IN: D404.3 D405.1 R404.2 TP400.1 U400.1 | length 22.3
  L1_Top w0.2: TP400.1@3.175,40.894 3.175,41.157 4,41.982 R404.2@6.35,41.982 6.485,41.982 7.286,41.181 9.269,41.181 v1@9.81,40.64 ; v1(10.16,32.893) 12.387,32.893 D405.1@12.453,32.959 ; v1(10.16,37.592) D404.3@11.183,37.592 ; v1@10.16,40.64 U400.1@13.656,40.64
  L14_Bot w0.2: v1(10.16,32.893) v1(10.16,37.592) v1(10.16,40.513)
CIP: R611.2 TP611.1 U610.7 | length 24.6
  L1_Top w0.2: TP611.1@12.827,23.368 R611.2@23.373,23.368 ; v1(22.86,26.289) 28.002,26.289 v1(29.018,27.305) ; v1(22.878,24.275) 22.878,23.863 R611.2@23.373,23.368 ; R611.2@23.52,23.368 R611.2@23.373,23.368 ; v1(29.007,25.738) 29.782,24.963 U610.7@31.283,24.963
  L14_Bot w0.2: v1(22.86,26.289) 22.86,24.257 v1(22.878,24.275) ; v1(29.007,25.738) 29.012,25.744 29.012,27.299 v1(29.018,27.305)
Curr_In+: R211.4 U600.4 | length 2.4
  L1_Top w0.2: R211.4@29.486,66.359 29.811,66.359 30.261,66.809 30.261,67.134 30.419,67.292 U600.4@30.419,68.142
Curr_In-: R211.3 U600.5 | length 2.3
  L1_Top w0.2: U600.5@31.369,68.142 31.369,67.226 31.461,67.134 31.461,66.809 31.911,66.359 R211.3@32.236,66.359
Curr_Inductor+: R420.3 U610.1 | length 17.4
  L1_Top w0.2: U610.1@26.883,25.613 27.008,25.738 27.643,25.738 27.794,25.889 28.168,25.889 28.717,26.438 v1(31.623,26.438) ; v1(31.543,36.663) 31.706,36.663 31.866,36.823 32.14,36.823 32.59,37.273 R420.3@33.24,37.273
  L14_Bot w0.2: v1(31.543,36.663) 31.555,36.651 31.555,35.963 31.731,35.787 31.731,26.546 v1(31.623,26.438) v1@31.583,26.478
Curr_Inductor-: R420.4 U610.8 | length 15.7
  L1_Top w0.2: U610.8@31.283,25.613 31.302,25.594 32.423,25.594 v1(32.442,25.575) ; v1(32.385,36.123) 34.19,36.123 35.34,37.273 R420.4@35.665,37.273
  L14_Bot w0.2: v1(32.385,36.123) 32.385,35.961 32.131,35.707 32.131,26.924 32.442,26.613 v1(32.442,25.575)
Curr_Out+: R103.3 R515.1 R631.1 | length 155.4
  L1_Top w0.2: R515.1@21.628,108.839 21.628,108.704 21.888,108.444 22.493,108.444 22.86,108.077 v1(27.144,108.077) ; v1(26.835,17.533) 26.842,17.533 27.334,18.024 28.103,18.024 28.328,17.799 29.464,17.799 59.198,17.799 60.333,18.934 72.857,18.934 73.143,19.22 v1(73.305,19.22) ; R631.1@72.644,26.852 v1(73.406,26.852) 73.97,26.852 75.119,25.703 R103.3@75.119,25.378
  L14_Bot w0.2: v1(26.835,17.533) 26.835,17.583 26.885,17.583 27.667,18.365 27.667,89.914 27.375,90.206 27.375,107.277 27.259,107.393 27.259,107.962 v1(27.144,108.077) ; v1(73.305,19.22) 73.406,19.321 v1(73.406,26.852)
Curr_Out-: C514.1 R103.4 R514.2 R633.1 | length 148.3
  L1_Top w0.2: R514.2@26.035,108.767 26.107,108.839 27.748,108.839 v1(27.844,108.935) ; v1(27.813,17.324) 27.888,17.399 59.364,17.399 60.485,18.52 73.712,18.52 74.102,18.91 v1(74.265,18.91) ; v1@27.883,108.839 28.537,108.839 C514.1@28.575,108.877 28.517,108.935 v1@27.883,108.935 ; R633.1@72.644,22.17 72.699,22.225 74.716,22.225 R103.4@75.119,22.628
  L14_Bot w0.2: v1(27.813,17.324) 27.813,17.486 28.067,17.74 28.067,90.08 27.775,90.372 27.775,99.365 27.844,99.434 v1(27.844,108.935) ; v1(74.168,22.225) 74.216,22.177 74.216,18.959 v1(74.265,18.91)
Curr_Thresh: C505.2 R504.2 R505.2 U500.5 U500.9 | length 12.1
  L1_Top w0.2: R504.2@36.504,103.759 36.504,105.046 C505.2@36.614,105.156 36.504,105.266 R505.2@36.504,106.68 36.504,106.815 36.764,107.075 36.778,107.075 37.33,107.627 37.33,107.684 37.882,108.236 38.631,108.236 U500.9@38.756,108.361 41.394,108.361 42.043,107.711 U500.5@44.556,107.711
Current_Blanking: JP111.5 Q130.1 R130.2 | length 34.8
  L1_Top w0.2: Q130.1@46.895,162.926 48.768,162.926 52.339,162.926 53.976,161.289 64.319,161.289 v1(64.389,161.359) ; v1(64.643,154.559) 71.603,154.559 72.637,155.593 73.551,155.593 JP111.5@73.787,155.829
  L14_Bot w0.2: v1(64.389,161.359) 64.464,161.359 64.581,161.242 64.581,154.621 v1(64.643,154.559)